# Altium PCB pcb.PcbDoc
Units mm, origin at the board's own origin, x right, y up, seen from the top; angles counter-clockwise.
Board outline 97.5 x 55 mm, 2 copper layers (Top Layer, Bottom Layer); 42 components, 25 nets, 109 pads, 7 vias.
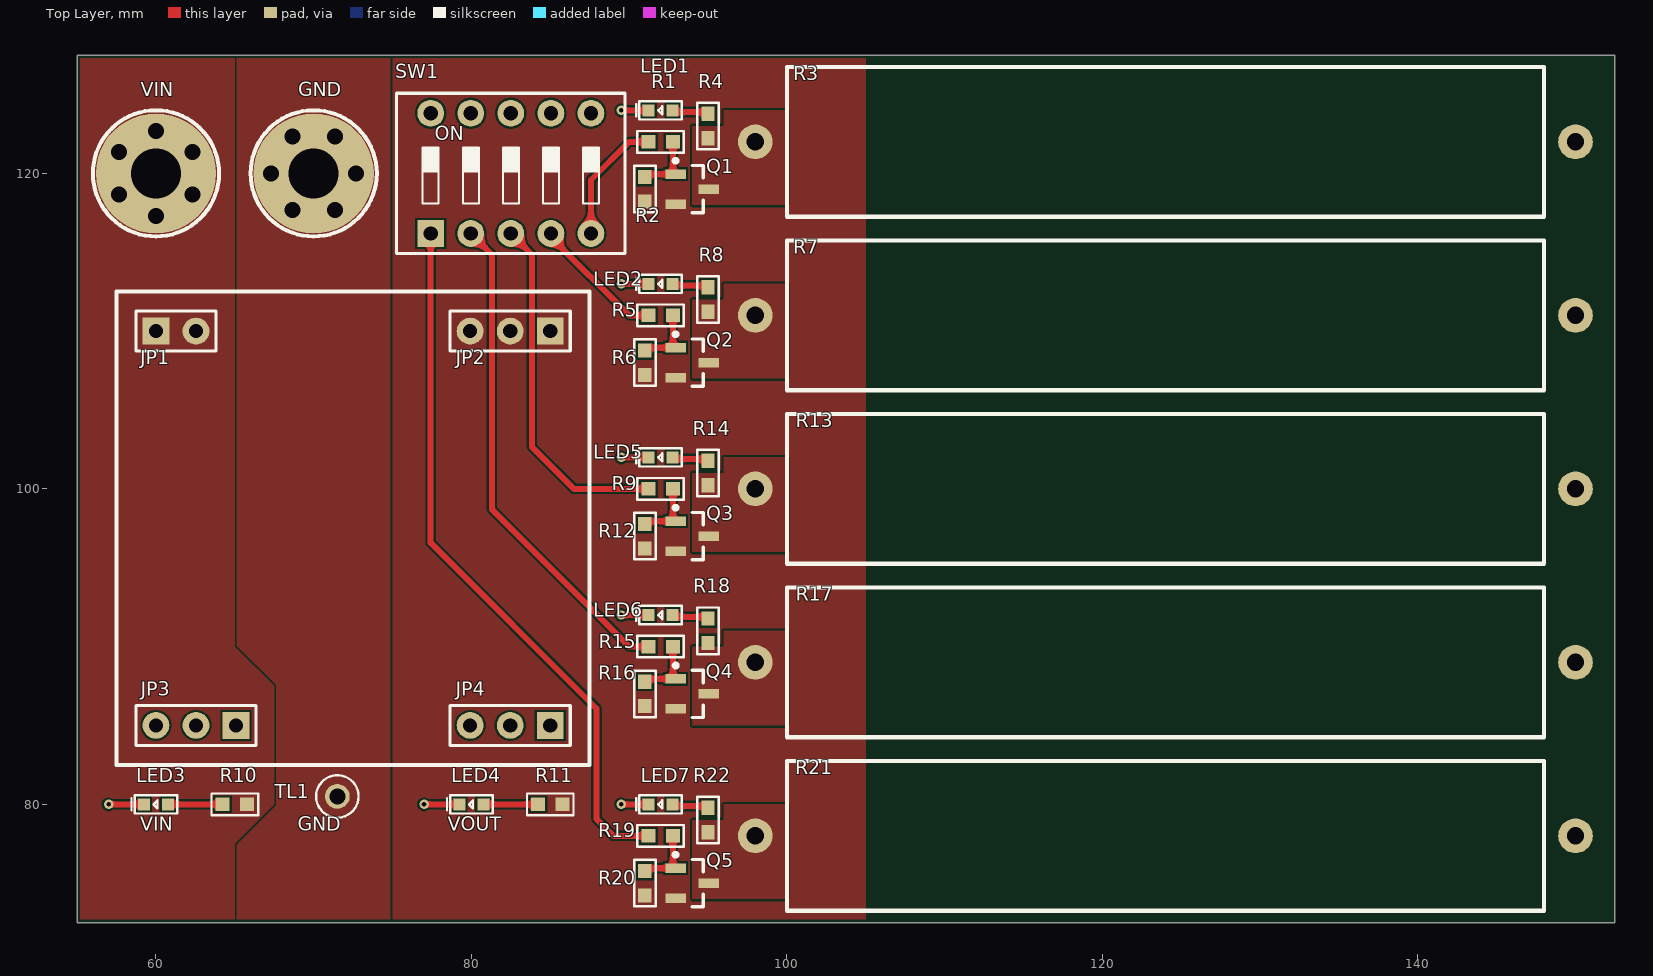
[diagram p0: Top Layer view]
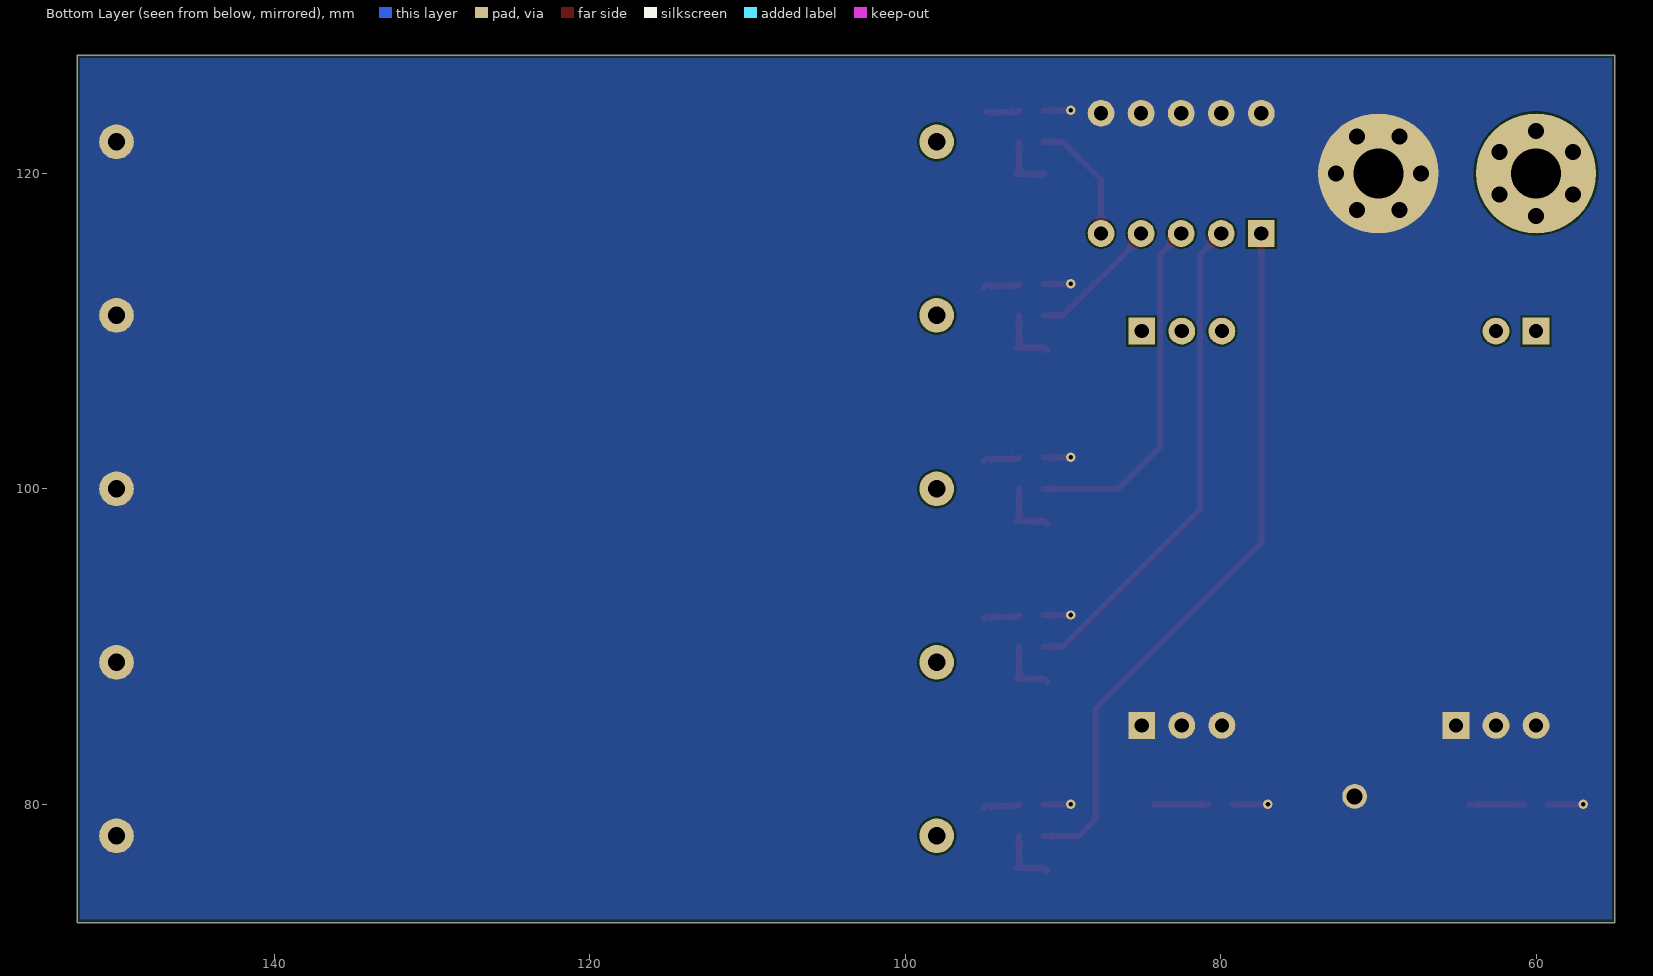
[diagram p1: Bottom Layer view, seen from below]

## Layer stack, top to bottom
Top Solder: solder mask 0.0102, Solder Resist, Dk 3.5
Top Layer: signal copper 0.0356
Dielectric 1: dielectric 0.32, FR-4, Dk 4.8
Bottom Layer: signal copper 0.0356
Bottom Solder: solder mask 0.0102, Solder Resist, Dk 3.5

## Board outline
55,72.5 55,127.5 152.5,127.5 152.5,72.5

## Design rules (kind name [scope] priority, off if disabled: settings)
BoardOutlineClearance [All] p1: gap=0.2 ignorepadtopadclearanceinfootprint=FALSE
Clearance [All] p1: gap=0.127 ignorepadtopadclearanceinfootprint=FALSE except(0.25: Arc-Hole Track-Hole SMDPad-Hole THPad-Hole Via-Hole Fill-Hole Poly-Hole Region-Hole Text-Hole)
ComponentClearance [All] p1: gap=0.127 collisioncheckmode=3 verticalgap=0.127 showdistances=TRUE
DiffPairsRouting [All] p1: maxlimit=0.254 minlimit=0.127 mostfreqgap=0.127 toplayer_minwidth=0.127 toplayer_maxwidth=25.4 toplayer_prefwidth=0.127 bottomlayer_minwidth=0.127 bottomlayer_maxwidth=25.4 bottomlayer_prefwidth=0.127 maxuncoupledlength=12.7
Height [All] p1: minheight=0 maxheight=1816.048 prefheight=12.7
HoleSize [All] p1: absolutevalues=TRUE maxlimit=6.3 minlimit=0.3 maxpercent=80.000 minpercent=20.000
HoleToHoleClearance [All] p1: gap=0.25 allowstackedmicrovias=FALSE
MinimumAnnularRing [All] p1: minimumring=0.076
MinimumSolderMaskSliver [All] p1: minsoldermaskwidth=0
PlaneClearance [All] p1: clearance=0.127
PlaneConnect PlaneConnectPowerPads [InPadClass('PowerPads')] p1: planeconnectstyle=Direct reliefexpansion=0.508 reliefentries=4 reliefconductorwidth=0.254 reliefairgap=0.254
PlaneConnect [All] p2: pad.planeconnectstyle=Relief pad.reliefexpansion=0.3 pad.reliefentries=4 pad.reliefconductorwidth=0.127 pad.reliefairgap=0.127 via.planeconnectstyle=Direct via.reliefexpansion=0.3 via.reliefentries=4 via.reliefconductorwidth=0.127 via.reliefairgap=0.127
PolygonConnect PolygonConnectPowerPads [All] p1: connectstyle=Direct reliefconductorwidth=0.254 reliefentries=4 polygonreliefangle="90 Angle" airgapwidth=0.254
PolygonConnect [All] p2: thpad.connectstyle=Relief thpad.reliefconductorwidth=0.127 thpad.reliefentries=4 thpad.polygonreliefangle="90 Angle" thpad.airgapwidth=0.127 smdpad.connectstyle=Relief smdpad.reliefconductorwidth=0.127 smdpad.reliefentries=4 smdpad.polygonreliefangle="90 Angle" smdpad.airgapwidth=0.127 via.connectstyle=Direct via.reliefconductorwidth=0.127 via.reliefentries=4 via.polygonreliefangle="90 Angle" via.airgapwidth=0.127
RoutingVias [All] p1: holewidth=0.3 width=0.6 viastyle="Through Hole" minholewidth=0.3 minwidth=0.6 maxholewidth=0.6 maxwidth=6.6
SilkToSilkClearance [All] p1: silktosilkclearance=0
SilkToSolderMaskClearance [IsPad] p1: minsilkscreentomaskgap=0.127 clearancetoexposedcopper=TRUE
SolderMaskExpansion [All] p1: expansion=0.075 istentingtop=FALSE
SupplyNets "Schematic Supply Nets_2" [InNet('VOUT')] p1: voltage=0.000
SupplyNets "Schematic Supply Nets_1" [InNet('GND')] p2: voltage=0.000
SupplyNets "Schematic Supply Nets" [InNet('VCC')] p3: voltage=0.000
Width [All] p1: maxlimit=25.4 minlimit=0.127 preferedwidth=0.127 minimp=50.000000 maximp=50.000000 favimp=50.000000
20 further rules are at their usual default settings.

## Components (designator, comment, footprint, x,y, rotation, side; value= is the part's Value field where it differs from the comment)
GND "M3铜柱" M3x4_N 70,120 r0 top (schematic designator SP2)
JP1 "HDR-1X2" HDR2.54-M-LI-2P 61.27,110 r0 top
JP2 "HDR-1X3" HDR2.54-M-LI-3P 82.46,110 r180 top
JP3 "HDR-1X3" HDR2.54-M-LI-3P 62.54,85 r180 top
JP4 "HDR-1X3" HDR2.54-M-LI-3P 82.46,85 r180 top
LED1 "G" LED0603_B 92,124 r180 top
LED2 "G" LED0603_B 92,113 r180 top
LED3 "G" LED0603_B 60,80 r180 top
LED4 "G" LED0603_B 80,80 r180 top
LED5 "G" LED0603_B 92,102 r180 top
LED6 "G" LED0603_B 92,92 r180 top
LED7 "G" LED0603_B 92,80 r180 top
Q1 "AO3401" SOT23-3N 94,119 r270 top
Q2 "AO3401" SOT23-3N 94,108 r270 top
Q3 "AO3401" SOT23-3N 94,97 r270 top
Q4 "AO3401" SOT23-3N 94,87 r270 top
Q5 "AO3401" SOT23-3N 94,75 r270 top
R1 "1kR/0603" R0603_M 92,122 r0 top
R2 "100kR/0603" R0603_M 91,119 r90 top
R3 "CR-L10W-10ΩJ" RES-TH_BD9.5-L48.0-P52.00-D0.7 124,122 r0 top
R4 "10k/0603" R0603_M 95,123 r90 top
R5 "1kR/0603" R0603_M 92,111 r0 top
R6 "100kR/0603" R0603_M 91,108 r90 top
R7 "CR-L10W-10ΩJ" RES-TH_BD9.5-L48.0-P52.00-D0.7 124,111 r0 top
R8 "10k/0603" R0603_M 95,112 r90 top
R9 "1kR/0603" R0603_M 92,100 r0 top
R10 "68k/0603" R0603_M 65,80 r180 top
R11 "10k/0603" R0603_M 85,80 r180 top
R12 "100kR/0603" R0603_M 91,97 r90 top
R13 "CR-L10W-10ΩJ" RES-TH_BD9.5-L48.0-P52.00-D0.7 124,100 r0 top
R14 "10k/0603" R0603_M 95,101 r90 top
R15 "1kR/0603" R0603_M 92,90 r0 top
R16 "100kR/0603" R0603_M 91,87 r90 top
R17 "CR-L10W-10ΩJ" RES-TH_BD9.5-L48.0-P52.00-D0.7 124,89 r0 top
R18 "10k/0603" R0603_M 95,91 r90 top
R19 "1kR/0603" R0603_M 92,78 r0 top
R20 "100kR/0603" R0603_M 91,75 r90 top
R21 "CR-L10W-10ΩJ" RES-TH_BD9.5-L48.0-P52.00-D0.7 124,78 r0 top
R22 "10k/0603" R0603_M 95,79 r90 top
SW1 "DIP-SW-5P" "SW DIP-5P" 82.5,120 r0 top
TL1 "Test Loop" FP-5002-MFG 71.5,80.5 r0 top
VIN "M3铜柱" M3x4_N 60,120 r90 top (schematic designator SP1)

## Footprints (in the part's own frame and the unit in brackets; to place one, negate y for a bottom-side part, rotate by r counter-clockwise, add the part's x,y. Pads: shape width x height; smd on the part's side, far side on the other; paste and mask are expansions set on the pad)
FP-5002-MFG [mm]
  round 1.57 hole 1.02 paste-2539.97 mask+0: 1(0,0)
  silkscreen extent -1.35,-1.34 1.35,1.34, body extent -1.45,-1.45 1.45,1.45, height 0.25
HDR2.54-M-LI-2P [mm] "ÅÅÄ¸£¬2½Å"
  rect 1.7x1.7 hole 0.9: 1(-1.27,0)
  round 1.7 hole 0.9: 2(1.27,0)
  silkscreen extent -2.54,-1.27 2.54,1.27, body extent -2.54,-1.27 2.54,1.27, height 8.5
HDR2.54-M-LI-3P [mm] "ÅÅÄ¸£¬3½Å"
  rect 1.7x1.7 hole 0.9: 1(-2.54,0)
  round 1.7 hole 0.9: 2(0,0) 3(2.54,0)
  silkscreen extent -3.81,-1.27 3.81,1.27, body extent -3.81,-1.27 3.81,1.27, height 8.5
LED0603_B [mil] "À¶É«0603LED"
  rect 30x30 smd: 1(-30,0) 2(30,0)
  silkscreen extent -53,-23 61,23, body extent -31,-16 32,16, height 24
M3x4_N [mil] "M3Í­Öù£¬³¤£º4mm"
  round 40 hole 40: 1(-106,0) 1(-53,-91.8) 1(-53,91.8) 1(53,-91.8) 1(53,91.8) 1(106,0)
  round 300 hole 125: 1(0,0)
  silkscreen extent -157,-157 157,157, body extent -106,-93 106,93, height 159
R0603_M [mm] "1/10WÌùÆ¬µç×è"
  rect 0.9x0.85 smd: 1(-0.775,0) 2(0.775,0)
  silkscreen extent -1.48,-0.69 1.48,0.69, body extent -0.8,-0.4 0.8,0.4, height 0.4
RES-TH_BD9.5-L48.0-P52.00-D0.7 [mm]
  round 2.2 hole 1.1 paste-2539.97 mask+0: 1(-26,0) 2(26,0)
  silkscreen extent -24,-4.75 24,4.75
SOT23-3N [mm] "SOT23, 3-Leads, Body 2.9x1.3mm, Pitch 0.95mm, Lead Span 2.4mm, IPC Medium Density  ÁªÏµÂô¼Ò  »ñÈ¡×îÐÂ°æ±¾"
  rect 0.6x1.3 smd: 1(-0.95,-1.05) 2(0.95,-1.05) 3(0,1.05)
  silkscreen extent -1.92,-1.17 1.5,0.7, body extent -1.5,-1.2 1.5,1.2, height 1.05
"SW DIP-5P" [mm] "14.2*9.9*7mm"
  rect 1.7x1.7 hole 0.9: 1(-5.08,-3.81)
  round 1.7 hole 0.9: 2(-2.54,-3.81) 3(0,-3.81) 4(2.54,-3.81) 5(5.08,-3.81) 6(5.08,3.81) 7(2.54,3.81) 8(0,3.81) 9(-2.54,3.81) 10(-5.08,3.81)
  silkscreen extent -7.24,-5.08 7.24,5.08, body extent -7.13,-4.82 7.13,5.08, height 6.65

## Part data
GND VIN: library part 铜柱大焊盘, "铜柱", BOM名称=铜柱, 联系下单店铺卖家 免费技术支持="联系下单店铺卖家 免费帮你查找封装"
JP1: library part "Header 2", "2P接插件", BOM名称=2P接插件, 封装库来自淘宝卖家ID：黄晶宝石=其他店铺购入均为盗版封装库，请立即申请退款，本店现金奖励50~200元, 联系卖家，免费查找封装=唯一出售店铺网址https://shop463601444.taobao.com
JP2 JP3 JP4: library part "Header 3", "3P接插件", BOM名称=3P接插件, 封装库来自淘宝卖家ID：黄晶宝石=其他店铺购入均为盗版封装库，请立即申请退款，本店现金奖励50~200元, 联系卖家，免费查找封装=唯一出售店铺网址https://shop463601444.taobao.com
LED1 LED2 LED3 LED4 LED5 LED6 LED7: library part LED, "贴片LED", BOM名称=贴片LED, 封装库来自淘宝卖家：黄晶宝石=其他店铺购入均为盗版封装库，无更新权益，请立即申请退款，本店现金奖励200~1000元
Q1 Q2 Q3 Q4 Q5: "P沟道 30V/4.2A", BOM名称=场效应管, 参数="P沟道 30V/4.2A", 当前库版本V2025.1.5，下一版本发布时间2025年2月份 @淘宝卖家:黄晶宝石=最新版本发布网址https://item.taobao.com/item.htm?id=566775463719, 联系下单店铺卖家 免费帮你查找封装="联系下单店铺卖家 免费技术支持"
R1 R2 R4 R5 R6 R8 R9 R10 R11 R12 R14 R15 R16 R18 R19 R20 R22: library part R, "贴片电阻", BOM名称=贴片电阻, 联系下单店铺卖家 免费帮你查找封装="联系下单店铺卖家 免费技术指导"
SW1: "5路拨码开关", BOM名称=5路拨码开关, 联系下单店铺卖家 免费技术支持="联系下单店铺卖家 免费帮你查找封装"
TL1: library part CMP-2000-05182-2, "PC TEST POINT MINIATURE WHITE", Color=White, Flammability Rating="UL94 V-0", Package Quantity=100, Body Material=Bronze, Contact Material=Bronze, Contact Plating=Silver, Hole Diameter=1.6mm, Housing Color=White, Inside Diameter=1.27mm, Insulation=Insulated, Lead Free="Lead Free", Length=7.62mm, Material=Nylon, Mount="Through Hole", Number of Ports=1, Orientation=Straight, Outside Diameter=2.54mm, Packaging=Bulk, Plating=Silver, REACH SVHC="No SVHC", RoHS Compliant=Yes, Series=THM
R3 R7 R13 R17 R21: Symbol=CR-L10W-10ΩJ

## Via types
v1: diameter 0.6, hole 0.3, Top Layer to Bottom Layer, 7 vias

## Nets (pads, with @x,y where several pads share a name; then routed paths per layer and width w, separated by ;. In a path a pad name is that pad's centre, name@x,y a point inside that pad or via, vN(x,y) a via of type N, cw(c..) or ccw(c..) an arc to the next point about the centre after c; other vN are vias at no path point)
G1: R1.1 SW1.5 | length 8
  Top Layer w0.381: SW1.5 87.58,119.58 90,122 R1.1
G2: R5.1 SW1.4 | length 8.5
  Top Layer w0.381: SW1.4 85.04,115.96 90,111 R5.1
G3: R9.1 SW1.3 | length 22.6
  Top Layer w0.381: SW1.3 83.832,114.857 83.832,102.668 86.5,100 R9.1
G4: R15.1 SW1.2 | length 31.6
  Top Layer w0.381: SW1.2 81.292,114.857 81.292,98.708 90,90 R15.1
G5: R19.1 SW1.1 | length 45.2
  Top Layer w0.381: SW1.1 77.42,96.58 87.925,86.075 87.925,79.075 89,78 R19.1
GND: GND.1 JP3.1 JP3.2 JP3.3 JP4.1 JP4.2 JP4.3 LED1.2 LED2.2 LED3.2 LED4.2 LED5.2 LED6.2 LED7.2 R3.2 R7.2 R13.2 R17.2 R21.2 SW1.6 SW1.7 SW1.8 SW1.9 SW1.10 TL1.1 | length 13.2
  Top Layer w0.381: v1(57,80) LED3.2 ; v1(77,80) LED4.2 ; v1(89.5,80) LED7.2 ; v1(89.5,92) LED6.2 ; v1(89.5,102) LED5.2 ; v1(89.5,113) LED2.2 ; v1(89.5,124) LED1.2
NetLED1_1: LED1.1 R4.2 | length 2.2
  Top Layer w0.381: LED1.1 92.875,123.887 R4.2@94.887,123.887
NetLED2_1: LED2.1 R8.2 | length 2.3
  Top Layer w0.381: LED2.1 92.875,112.887 94.887,112.887 R8.2
NetLED3_1: LED3.1 R10.2 | length 3.5
  Top Layer w0.381: LED3.1 R10.2
NetLED4_1: LED4.1 R11.2 | length 3.5
  Top Layer w0.381: LED4.1 R11.2
NetLED5_1: LED5.1 R14.2 | length 2.3
  Top Layer w0.381: LED5.1 92.875,101.887 94.887,101.887 R14.2
NetLED6_1: LED6.1 R18.2 | length 2.3
  Top Layer w0.381: LED6.1 92.875,91.887 94.887,91.887 R18.2
NetLED7_1: LED7.1 R22.2 | length 2.3
  Top Layer w0.381: LED7.1 92.875,79.887 94.887,79.887 R22.2
NetQ1_1: Q1.1 R1.2 R2.2 | length 3.9
  Top Layer w0.381: R2.2@91.175,119.95 Q1.1 92.884,119.95 92.775,120.06 R1.2
NetQ1_3: Q1.3 R3.1 R4.1
NetQ2_1: Q2.1 R5.2 R6.2 | length 4.2
  Top Layer w0.381: R6.2 91.175,108.95 Q2.1 92.884,108.95 92.775,109.059 R5.2
NetQ2_3: Q2.3 R7.1 R8.1
NetQ3_1: Q3.1 R9.2 R12.2 | length 4.2
  Top Layer w0.381: R12.2 91.175,97.95 Q3.1 92.884,97.95 92.775,98.059 R9.2
NetQ3_3: Q3.3 R13.1 R14.1
NetQ4_1: Q4.1 R15.2 R16.2 | length 4.2
  Top Layer w0.381: R16.2 91.175,87.95 Q4.1 92.884,87.95 92.775,88.059 R15.2
NetQ4_3: Q4.3 R17.1 R18.1
NetQ5_1: Q5.1 R19.2 R20.2 | length 4.2
  Top Layer w0.381: R20.2 91.175,75.95 Q5.1 92.884,75.95 92.775,76.059 R19.2
NetQ5_3: Q5.3 R21.1 R22.1
VCC: JP1.1 JP1.2 R10.1 VIN.1
VOUT: JP2.1 JP2.2 JP2.3 Q1.2 Q2.2 Q3.2 Q4.2 Q5.2 R2.1 R6.1 R11.1 R12.1 R16.1 R20.1

## Polygon pours and split planes (outlines as drawn)
GND on Bottom Layer "NONET_L04_P-001" (solid, pour order 0): 47.5,67.5 155,67.5 155,132.5 47.5,132.5
GND on Top Layer "NONET_L04_P-001" (solid, pour order 12): 64,141.5 64,72.5 77.5,72.5 77.5,141.5
VOUT on Top Layer "NONET_L04_P-001" (solid, pour order 10): 75,65 105,65 105,130 75,130
NetQ5_3 on Top Layer "NONET_L04_P-001" (solid, pour order 9): 96,79 96,80 100,80 100,74 94,74 94,79
NetQ4_3 on Top Layer "NONET_L04_P-001" (solid, pour order 8): 96,90 96,91 100,91 100,85 94,85 94,90
NetQ3_3 on Top Layer "NONET_L04_P-001" (solid, pour order 7): 96,101 96,102 100,102 100,96 94,96 94,101
NetQ2_3 on Top Layer "NONET_L04_P-001" (solid, pour order 6): 96,112 96,113 100,113 100,107 94,107 94,112
NetQ1_3 on Top Layer "NONET_L04_P-001" (solid, pour order 3): 96,123 96,124 100,124 100,118 94,118 94,123
VCC on Top Layer "NONET_L04_P-001" (solid, pour order 1): 67.5,80 65,77.5 65,70 50,70 50,130 65,130 65,90 67.5,87.5
no net on Top Solder "NONET_L04_P-001" (solid): 67.5,77.5 67.5,72.5 72.5,72.5 72.5,77.5
no net on Top Solder "NONET_L04_P-001" (solid): 77.5,77.5 77.5,72.5 82.5,72.5 82.5,77.5
no net on Top Solder "NONET_L04_P-001" (solid, pour order 11): 57.5,77.5 57.5,72.5 62.5,72.5 62.5,77.5

## Silkscreen, mask and mechanical layers (free items; w line width, h text height)
Top Overlay:
  lines w0.254: 57.5,82.5 87.5,82.5 87.5,112.5 57.5,112.5 57.5,82.5
  text "VIN" at 58.997,78.011 h1.52
  text "GND" at 69,78.011 h1.52
  text "VOUT" at 78.497,78.011 h1.52
Mechanical 1:
  the board outline again, w1.2

## Text inside footprints (layer, text, board x,y; h text height)
SW1: Top Overlay "ON" at 77.674,121.778 h1.52